# Altium PCB LimeSDR-Micro_M.2_2280_1v1.PcbDoc (part 5 of 9) (continued)
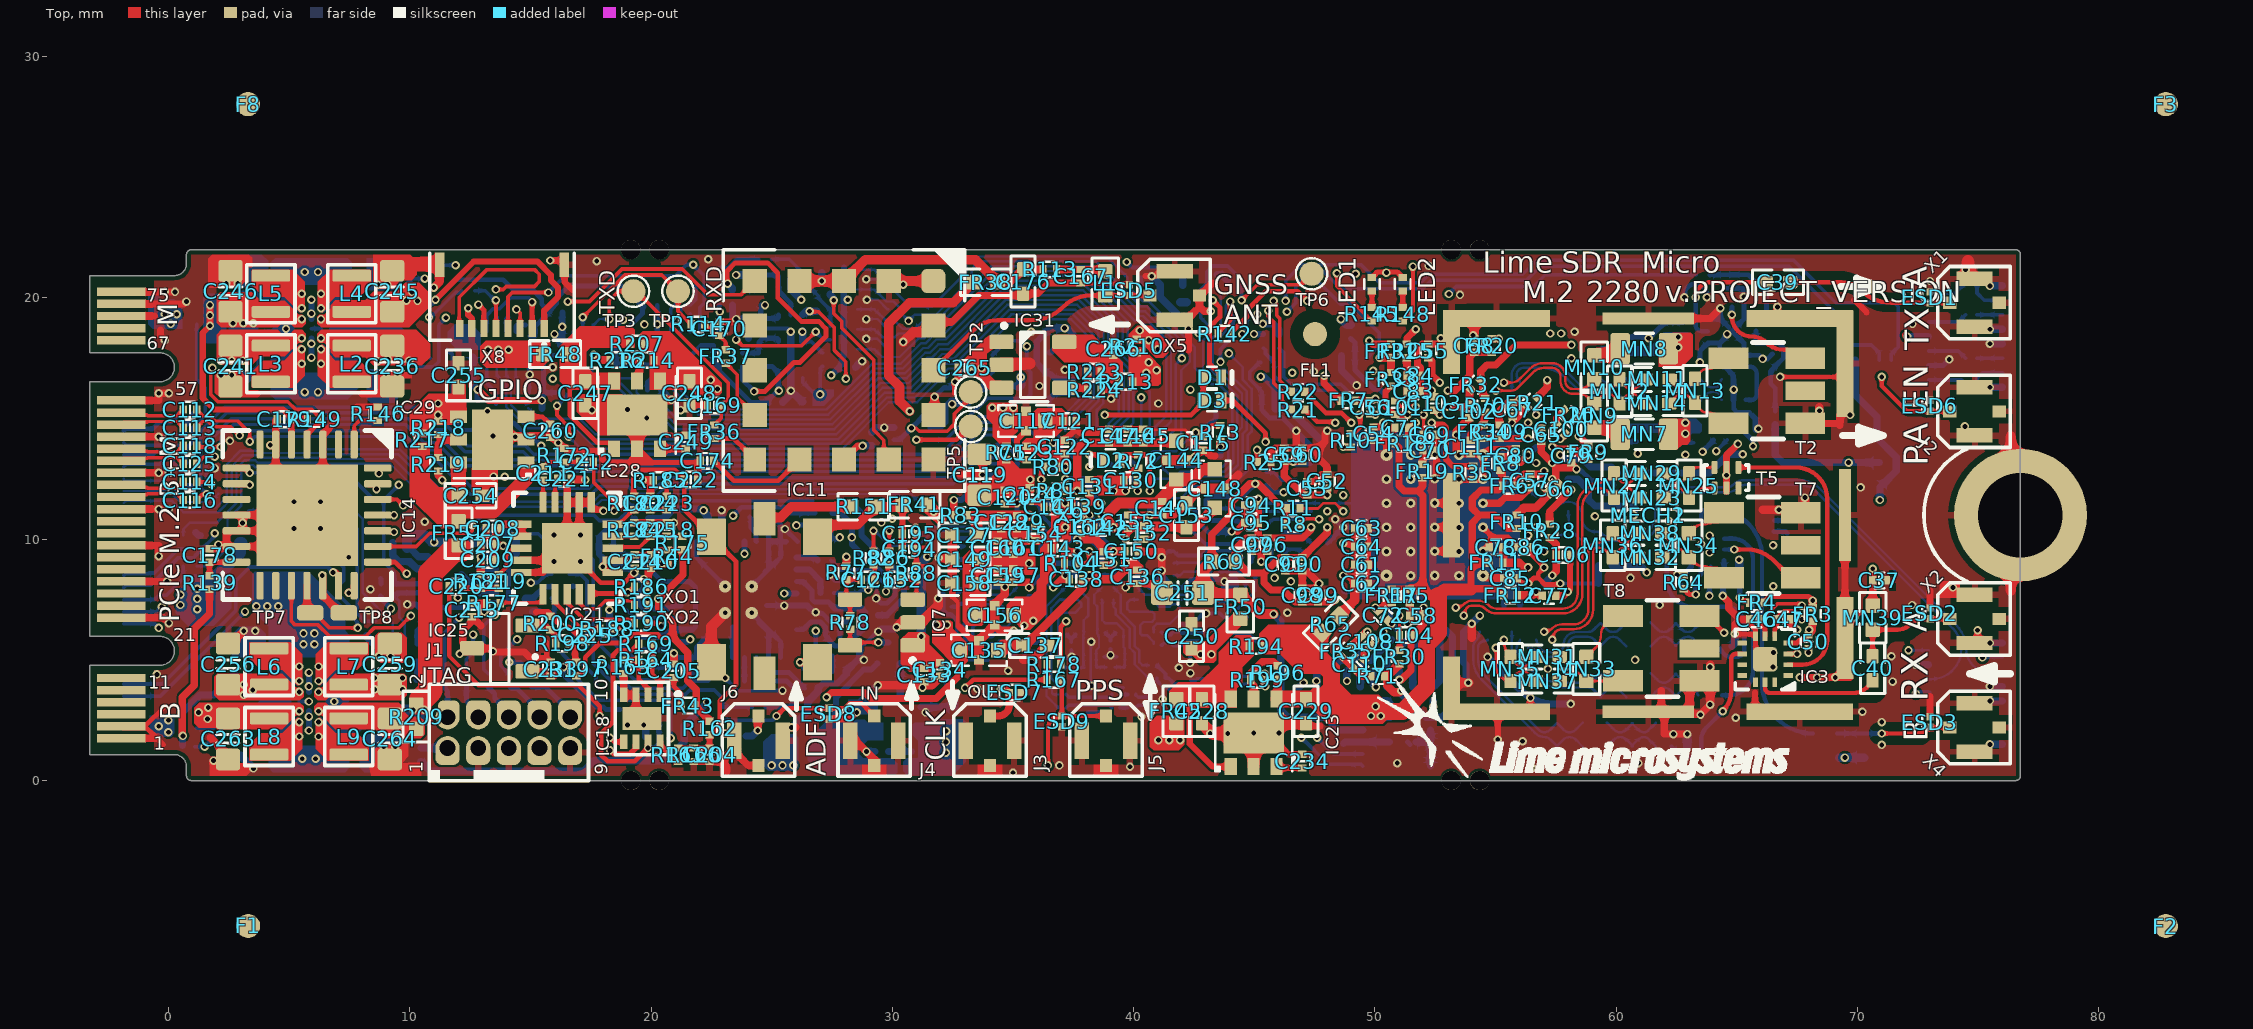
[diagram p0: Top view]
## Nets (pads, with @x,y where several pads share a name; then routed paths per layer and width w, separated by ;. In a path a pad name is that pad's centre, name@x,y a point inside that pad or via, vN(x,y) a via of type N, cw(c..) or ccw(c..) an arc to the next point about the centre after c; other vN are vias at no path point) (continued)
LA_SPI_MOSI: IC8.12 R21.2 R190.2 | length 74.1
  Top w0.15: v1(45.575,19.475) 45.575,19.225 45.8,19 45.8,16.489 46.15,16.139 46.15,15.761 R21.2@46.536,15.375
  Top w0.2: R190.2@19.88,6.525 20.3,6.525 v1(20.425,6.4)
  L4 w0.1: v1(42.35,16.2) 42.7,16.55 v1(42.7,18.525)
  L6 w0.1: v2(14.8,18.875) 15.94,18.875 16.19,19.125 16.46,19.125 17.035,18.55 19.325,18.55 19.688,18.187 23.154,18.187 23.515,17.825 27.9,17.825 28.75,18.675 28.942,18.675 30.242,19.975 30.667,19.975 31.254,20.562 32.073,20.562 32.786,19.85 35.591,19.85 35.741,19.7 35.75,19.7 36.6,18.85 36.6,18.541 36.934,18.207 37.491,18.207 38.659,19.375 40.85,19.375 41.9,18.325 42.5,18.325 v1(42.7,18.525) 43.075,18.9 43.259,18.9 43.584,19.225 44.425,19.225 44.9,19.7 45.35,19.7 v1(45.575,19.475) ; v1(20.425,6.4) 21.6,6.4 22.175,5.825 27.075,5.825 27.3,6.05 27.3,6.875 27.775,7.35 27.775,8.475 28.9,9.6 29.8,9.6 30.375,10.175 30.375,11.15 30.2,11.325 30.2,12.575 33.95,16.325 35.665,16.325 35.965,16.025 38.5,16.025 38.823,16.348 39.283,16.348 39.591,16.04 39.591,15.692 40.008,15.275 41.425,15.275 v1(42.35,16.2)
  Bottom w0.2: IC8.12@14.4,18.6 14.4,18.825 14.45,18.875 v2(14.8,18.875)
LA_SPI_MOSI_LS: IC6.R9 IC8.1 R127.2 R136.1 | length 33.2
  Bottom w0.1: IC8.1@14.4,17.1 14.4,16.033 R127.2@14.85,15.583 ; R127.2@14.92,15.425 15.345,15 17.041,15 17.691,14.35 27.681,14.35 29.606,16.275 30.78,16.275 31.63,17.125 31.804,17.125 32.154,17.475 32.529,17.475 34.769,19.715 37.658,19.715 38.75,18.623 38.75,17.2 39.066,16.884 R136.1@39.066,16.605 39.041,16.605 38.941,16.505 38.941,16.48 38.741,16.28 38.741,15.625 38.475,15.359 38.475,14.692 IC6.R9@38.667,14.5
LA_SPI_SCLK: IC8.10 R20.2 R188.2 | length 62
  Top w0.3: R188.2@18.45,6.3 R188.2@18.45,6.325 ; R188.2@18.5,6.275 18.6,6.275 v1(18.75,6.125)
  L6 w0.1: v2(13.6,19.2) 13.925,18.875 14.34,18.875 15.075,18.14 15.075,17.41 13.59,15.925 13.375,15.925 12.7,15.25 12.7,14.74 12.435,14.475 12.125,14.475 10.325,12.675 9.425,12.675 9.15,12.4 9.15,11.409 8.975,11.234 8.975,9.715 9.19,9.5 10.324,9.5 11.675,8.149 11.675,6.6 11.85,6.425 12.792,6.425 12.867,6.35 13.825,6.35 13.925,6.45 15.915,6.45 16.165,6.7 16.792,6.7 17.192,6.3 18.575,6.3 v1(18.75,6.125) ; 15.075,18.15 16.265,18.15 16.678,17.737 17.012,17.737 17.325,18.05 19.2,18.05 19.463,17.787 22.988,17.787 23.35,17.425 28.287,17.425 28.637,17.775 29.158,17.775 29.45,18.067 29.45,18.617 30.3,19.467 30.408,19.575 30.833,19.575 31.42,20.162 31.908,20.162 32.62,19.45 35.425,19.45 36.193,18.682 36.193,18.382 36.775,17.8 37.65,17.8 38.825,18.975 40.617,18.975 41.667,17.925 42.85,17.925 43.75,18.825 44.667,18.825 v1(44.987,18.505)
  Bottom w0.2: IC8.10@13.6,18.6 v2(13.6,19.2)
  Bottom w0.25: v1(44.987,18.505) R20.2@45.366,18.505
LA_SPI_SCLK_LS: IC6.P8 IC8.3 | length 34.2
  Bottom w0.1: IC8.3@13.6,17.05 13.6,16.8 14,16.4 14,15.485 14.885,14.6 16.875,14.6 17.525,13.95 27.847,13.95 29.772,15.875 30.946,15.875 31.796,16.725 31.97,16.725 32.32,17.075 32.695,17.075 34.935,19.315 37.492,19.315 38.341,18.466 38.341,17.027 38.341,15.808 37.691,15.158 37.691,14.476 IC6.P8@38.167,14
LA_TCK: IC6.N10 R89.2 R92.1 | length 49.9
  L6 w0.1: v2(12.12,15.43) 12.12,15.112 11.975,14.967 11.975,14.7 10.15,12.875 9.342,12.875 8.95,12.483 8.95,11.492 8.775,11.317 8.775,9.633 9.108,9.3 10.241,9.3 11.475,8.066 11.475,6.517 11.767,6.225 12.45,6.225 v1(12.625,6.05) 14.19,6.05 14.315,6.175 15.108,6.175 15.333,5.95 16.617,5.95 16.767,6.1 18.315,6.1 19.465,4.95 21.917,4.95 22.192,5.225 27.733,5.225 29.258,6.75 29.742,6.75 29.892,6.9 30.516,6.9 31.375,7.759 31.375,7.767 32.083,8.475 33.017,8.475 33.675,9.133 33.675,12.133 34.4,12.858 34.4,13.425 34.6,13.625 34.6,13.875 35.021,14.296 35.539,14.296 35.767,14.525 36.884,14.525 37.384,14.025 38.642,14.025 v2(39.167,13.5)
  Bottom w0.15: R92.1@12.35,4.43 12.35,5.025 12.625,5.3 v1(12.625,6.05)
  Bottom w0.2: v2(12.12,15.43) 12.12,15.65 R89.2@12.27,15.8
LA_TDI: IC6.M10 R94.1 | length 34.3
  L6 w0.1: v1(14.45,5.85) 15.15,5.85 15.25,5.75 16.7,5.75 16.85,5.9 18.233,5.9 19.383,4.75 22,4.75 22.225,4.975 25.617,4.975 26.092,4.5 26.425,4.5 26.875,4.95 27.74,4.95 29.34,6.55 29.825,6.55 29.975,6.7 30.599,6.7 31.575,7.676 31.575,7.685 32.165,8.275 33.1,8.275 33.875,9.05 33.875,12.05 34.6,12.775 34.6,13.325 34.842,13.567 34.842,13.817 35.121,14.096 35.621,14.096 35.85,14.325 36.801,14.325 37.301,13.825 38.342,13.825 v2(38.667,13.5)
  Bottom w0.15: R94.1@14.15,4.43 14.1,4.43 13.775,4.755 13.775,5.18 v1@14.447,5.853 ; v2(38.667,13.5) IC6.M10@39.167,13
LA_TDO: IC6.N12 R93.1 | length 37.5
  L6 w0.1: v1(13.525,6.875) 14.6,6.875 15.075,7.35 16.775,7.35 17.425,6.7 19.025,6.7 19.925,5.8 21.167,5.8 21.442,5.525 21.926,5.525 22.026,5.625 27.55,5.625 29.075,7.15 29.576,7.15 29.726,7.3 30.35,7.3 30.975,7.925 30.975,7.933 31.917,8.875 32.851,8.875 33.275,9.299 33.275,10.683 33.125,10.833 33.125,12.8 33.216,12.891 33.216,12.892 33.523,13.2 33.525,13.2 33.675,13.35 33.675,14.075 34.3,14.7 35.341,14.7 35.566,14.925 37.05,14.925 37.55,14.425 39.242,14.425 v2(40.167,13.5)
  Bottom w0.15: R93.1@13.25,4.43 13.075,4.605 13.075,6.425 v1(13.525,6.875)
LA_TMS: IC6.M12 R91.1 | length 38.9
  L6 w0.1: v1(12.05,6.75) 12.75,6.75 12.95,6.55 13.742,6.55 13.842,6.65 15.833,6.65 16.083,6.9 16.875,6.9 17.275,6.5 18.942,6.5 19.842,5.6 21.085,5.6 21.36,5.325 21.844,5.325 22.009,5.325 22.109,5.425 27.633,5.425 29.158,6.95 29.659,6.95 29.809,7.1 30.433,7.1 31.175,7.842 31.175,7.85 32,8.675 32.934,8.675 33.475,9.216 33.475,10.766 33.325,10.916 33.325,12.717 33.416,12.808 33.416,12.81 33.606,13 33.608,13 33.875,13.267 33.875,13.992 34.383,14.5 35.424,14.5 35.649,14.725 36.967,14.725 37.467,14.225 38.901,14.225 39.626,13.5 v2(39.667,13.5)
  Bottom w0.15: R91.1@11.45,4.43 11.45,6.15 v1(12.05,6.75) ; v2(39.667,13.5) IC6.M12@40.167,13
LA_TRST: C115.1 D2.C IC6.N8 R73.2 | length 6.6
  Top w0.2: v1(38.167,13.5) 38.575,13.5 38.675,13.4 D2.C@38.675,13.275 ; v1(42.575,14.425) 42.975,14.425 43.265,14.715 R73.2@43.596,14.715
  L4 w0.15: v1(38.167,13.5) 41.65,13.5 v1(42.575,14.425)
LA_TRX1: IC8.9 R59.2 X8.2 | length 54.1
  Top w0.2: X8.2@15.075,18.725 15.075,19.775 v1@15.125,19.825
  L3 w0.1: v1(15.075,19.825) 15.525,19.375 16.89,19.375 17.19,19.675 20.792,19.675 21.542,20.425 22.525,20.425 23.4,21.3 30.45,21.3 31.225,20.525 47.7,20.525 47.8,20.425 49.225,20.425 49.488,20.162 v1(53.062,20.162)
  Bottom w0.15: IC8.9@13.2,18.6 13.2,19.295 13.455,19.55 13.72,19.55 14.17,20 14.95,20 v1@15.125,19.825 ; v1(53.062,20.162) 53.375,20.475 56.575,20.475 57.055,20.955 R59.2@63.32,20.955
LA_TX_I_N: C2.1 C3.1 IC6.B7 R4.1 R5.2 | length 4
  Bottom w0.1: C2.1@37.581,4.7 37.606,4.675 R5.2@37.941,4.675 ; IC6.B7@37.667,8 38.116,7.551 38.116,6.825 37.931,6.64 R4.1@37.931,6.05 37.916,6.035 37.916,4.7 R5.2@37.941,4.675 ; R5.2@37.956,4.675 R5.2@37.941,4.675
LA_TX_I_P: C1.2 C2.2 IC6.A7 R1.2 R2.1 | length 4
  Bottom w0.1: C2.2@37.251,4.7 37.226,4.675 R1.2@36.876,4.675 36.901,4.7 R2.1@36.901,6.05 36.875,6.076 36.875,6.775 37.05,6.95 37.575,6.95 37.825,7.2 37.825,7.342 IC6.A7@37.667,7.5
LA_TX_Q_N: C5.1 C6.1 IC6.B9 R18.1 R19.2 | length 4
  Bottom w0.1: IC6.B9@38.667,8 38.367,7.7 38.367,7.349 38.501,7.215 R18.1@38.501,6.125 38.501,6.075 38.526,6.05 38.526,5.985 38.566,5.945 38.566,5.525 38.451,5.41 C6.1@38.451,5.125 38.451,4.7 38.476,4.675 R19.2@38.501,4.675 38.526,4.7 C5.1@38.876,4.7
LA_TX_Q_P: C4.2 C5.2 IC6.A9 R14.2 R16.1 | length 3.9
  Bottom w0.1: IC6.A9@38.667,7.5 38.701,7.466 38.701,6.64 38.816,6.525 39.291,6.525 39.581,6.235 R16.1@39.581,6.125 39.581,5.535 39.631,5.485 C4.2@39.631,5.125 39.631,4.7 39.606,4.675 R14.2@39.581,4.675 39.556,4.7 C5.2@39.206,4.7
LMK_CLKOUT1: ESD7.1 IC16.3 J3.1 | length 25.4
  Top w0.3: J3.1@34.05,2.675 34.388,2.675 ccw(c34.388,3.137) 34.85,3.137 ESD7.1@34.85,3.65 34.845,3.65 34.705,3.79 34.51,3.79 v1(34.5,3.8)
  L6 w0.1: v2(21.105,4.18) 21.996,4.18 22.391,4.575 25.452,4.575 25.927,4.1 28.458,4.1 28.983,4.625 33.675,4.625 v1(34.5,3.8)
  Bottom w0.15: v2(21.105,4.18) 19.32,4.18 17.9,5.6 17.9,7.195 18.13,7.425 18.625,7.425 19.3,6.75 IC16.3@21.225,6.75
LMK_CLKOUT7: IC16.20 IC17.3 R158.1 | length 4.9
  L6 w0.1: v1(25.525,7.75) 27.85,10.075 v1@27.875,10.075
  Bottom w0.15: IC17.3@27.45,10.512 IC17.3@27.525,10.587
  Bottom w0.2: R158.1@27.45,9.942 R158.1@27.45,9.967 ; IC17.3@27.45,10.512 R158.1@27.45,9.967 ; v1@27.776,10.017 27.5,10.017 R158.1@27.45,9.967 ; v1@27.834,10.075 v1@27.875,10.075
  Bottom w0.25: v1(25.525,7.75) IC16.20@26.025,7.75
  other v1: 27.825,10.075
LMS_BB_DRV1A_N: C8.1 R27.2 | length 0.3
  Bottom w0.15: R27.2@34.821,5.8 C8.1@35.141,5.8
LMS_BB_DRV1A_P: C12.1 R33.2 | length 0.3
  Bottom w0.15: R33.2@34.821,5.25 C12.1@35.141,5.25
LMS_BB_DRV1AC_N: C9.1 C10.1 R27.1 R28.2 R29.1 | length 2.1
  Bottom w0.15: R28.2@33.541,6.57 33.331,6.36 C10.1@33.331,6.15 33.331,5.83 33.501,5.66 R29.1@33.666,5.66 34.351,5.66 34.458,5.768 34.491,5.768 R27.1@34.491,5.8
LMS_BB_DRV1AC_P: C10.2 C11.2 R32.2 R33.1 R34.2 | length 2.6
  Bottom w0.15: R34.2@33.001,6.57 C10.2@33.001,6.15 33.001,5.89 33.081,5.81 33.081,5.632 33.126,5.587 C11.2@33.126,5.555 33.126,5.522 33.158,5.522 33.341,5.34 R32.2@33.491,5.34 33.901,5.34 33.991,5.25 R33.1@34.491,5.25
LMS_BB_DRV1B_N: C13.1 R36.2 | length 0.3
  Bottom w0.15: R36.2@39.431,3.015 C13.1@39.751,3.015
LMS_BB_DRV1B_P: C17.1 R41.2 | length 0.3
  Bottom w0.15: R41.2@39.431,3.565 C17.1@39.751,3.565
LMS_BB_DRV1BC_N: C14.1 C15.1 R36.1 R37.2 R38.1 | length 2
  Bottom w0.15: R37.2@37.206,3.015 37.316,3.125 37.966,3.125 C14.1@38.141,3.125 R38.1@38.666,3.125 38.991,3.125 39.068,3.047 39.101,3.047 R36.1@39.101,3.015
LMS_BB_DRV1BC_P: C15.2 C16.2 R40.2 R41.1 R42.2 | length 2
  Bottom w0.15: R42.2@37.206,3.565 37.316,3.455 C15.2@37.566,3.455 C16.2@38.141,3.455 R40.2@38.691,3.455 38.991,3.455 39.068,3.532 39.101,3.532 R41.1@39.101,3.565
LMS_BB_DRV2A_N: C18.1 R43.2 | length 0.4
  Bottom w0.15: R43.2@43.256,3.935 43.431,4.11 C18.1@43.576,4.11
LMS_BB_DRV2A_P: C22.1 R48.2 | length 0.4
  Bottom w0.15: R48.2@43.256,3.385 43.431,3.56 C22.1@43.576,3.56
LMS_BB_DRV2AC_N: C19.1 C20.1 R43.1 R44.2 R45.1 | length 2.6
  Bottom w0.15: R44.2@40.956,4.785 40.956,4.753 40.988,4.753 41.32,4.42 41.32,4.24 C20.1@41.341,4.24 41.451,4.24 41.691,4 R45.1@41.791,4 41.991,4 42.166,3.825 C19.1@42.366,3.825 42.816,3.825 42.893,3.902 42.926,3.902 R43.1@42.926,3.935
LMS_BB_DRV2AC_P: C20.2 C21.2 R47.2 R48.1 R49.2 | length 2.4
  Bottom w0.15: R49.2@40.956,4.235 40.956,4.139 41.184,3.91 C20.2@41.341,3.91 41.581,3.67 R47.2@41.791,3.67 41.946,3.67 42.121,3.495 C21.2@42.366,3.495 42.816,3.495 42.893,3.417 42.926,3.417 R48.1@42.926,3.385
LMS_BB_DRV2B_N: C23.1 R50.2 | length 0.3
  Bottom w0.15: R50.2@43.281,5.675 C23.1@43.601,5.675
LMS_BB_DRV2B_P: C27.1 R57.2 | length 0.3
  Bottom w0.15: R57.2@43.281,6.225 C27.1@43.601,6.225
LMS_BB_DRV2BC_N: C24.1 C25.1 R50.1 R51.2 R52.1 | length 2
  Bottom w0.15: R51.2@41.156,5.6 41.266,5.71 C25.1@41.516,5.71 41.636,5.59 R52.1@41.891,5.59 41.923,5.59 42.118,5.785 C24.1@42.403,5.785 42.841,5.785 42.918,5.707 42.951,5.707 R50.1@42.951,5.675
LMS_BB_DRV2BC_P: C25.2 C26.2 R56.2 R57.1 R58.2 | length 2
  Bottom w0.15: R58.2@41.156,6.15 41.266,6.04 C25.2@41.516,6.04 41.548,6.04 41.548,6.072 41.636,6.16 R56.2@41.891,6.16 41.923,6.16 41.968,6.115 C26.2@42.403,6.115 42.841,6.115 42.918,6.192 42.951,6.192 R57.1@42.951,6.225
LMS_CORE_LDO_EN: IC1.U33 R13.1 R15.2 | length 3.9
  Bottom w0.15: R15.2@43.491,11.275 44.361,11.275 44.366,11.27 44.474,11.162 46.859,11.162 46.876,11.179 47.337,11.179 IC1.U33@47.354,11.162
LMS_I2C_SCL: IC1.C27 IC2.6 R26.2 R54.1 | length 65.1
  L4 w0.1: v1(45.841,8.4) 45.849,8.4 46.024,8.575 46.65,8.575 47.025,8.2 47.025,4.6 46.72,4.295 46.72,2.655 v1(47.6,1.775)
  L6 w0.1: v2(8.825,8.15) 8.812,8.137 8.812,7.903 8.51,7.6 8.39,7.6 7.975,7.185 7.975,6.7 8.525,6.15 8.975,6.15 11.5,3.625 16.766,3.625 17.3,3.091 17.3,2.508 17.683,2.125 18.41,2.125 18.56,1.975 19.886,1.975 19.995,2.085 22.465,2.085 23.125,1.425 26.35,1.425 27.225,2.3 31.858,2.3 32.008,2.45 32.392,2.45 33.842,1 46.635,1 47.375,1.74 47.565,1.74 v1(47.6,1.775) ; v1(45.841,8.4) 45.841,10.325 47.191,11.675 47.191,12.15 48.016,12.975 48.016,13.875 48.678,14.537 48.678,15.15 v2(49.352,15.824)
  Bottom w0.15: v1(47.6,1.775) 48.275,1.1 IC2.6@49.5,1.1
  Bottom w0.2: R26.2@8.795,8.375 8.81,8.36 8.81,8.165 v2(8.825,8.15)
LMS_I2C_SDA: IC1.D26 IC2.5 R30.2 R53.1 | length 62.5
  L4 w0.1: v1(46.516,8.25) 46.825,7.941 46.825,4.683 46.52,4.378 46.52,2.215 v1(46.955,1.78)
  L6 w0.1: v1(9.225,7.125) 9.85,6.5 9.85,6.275 12,4.125 16.858,4.125 16.983,4.25 17.86,4.25 18.05,4.06 18.05,3.425 17.55,2.925 17.55,2.54 17.765,2.325 18.59,2.325 18.89,2.625 19.992,2.625 20.333,2.285 23.69,2.285 24.35,1.625 26.267,1.625 27.142,2.5 31.775,2.5 31.925,2.65 32.475,2.65 33.925,1.2 46.375,1.2 v1(46.955,1.78) ; v1(46.516,8.25) 46.516,10.317 47.691,11.492 47.691,11.958 49.685,13.953 v2(49.685,15.491)
  Bottom w0.15: v1(46.955,1.78) 48.06,0.675 49.425,0.675 IC2.5@49.5,0.6
  Bottom w0.2: R30.2@8.795,7.65 8.795,7.555 v1(9.225,7.125)
LMS_MCLK1: IC1.AB34 R7.1 R84.1 | length 1.5
  Bottom w0.15: R7.1@46.166,9.74 46.166,9.691 46.28,9.577 ; R84.1@46.28,9.025 46.28,9.577 ; IC1.AB34@47.021,9.497 46.967,9.497 46.887,9.577 46.28,9.577
LMS_RESET: IC1.E27 IC14.17 R10.1 | length 57.4
  Top w0.15: IC14.17@5.1,8.075 5.1,6.6 5.25,6.45 6.2,6.45 6.675,5.975 8.175,5.975 8.525,6.325 9.55,6.325 v1(10.05,6.825)
  Top w0.2: R10.1@48.991,14.38 49.041,14.43 49.171,14.43 49.394,14.653 v1@49.394,15.01
  L6 w0.1: v1(10.05,6.825) 10.05,6.358 12.083,4.325 16.775,4.325 16.925,4.475 18.125,4.475 19.425,3.175 20.067,3.175 20.551,2.691 24.268,2.691 25.135,1.825 26.184,1.825 27.059,2.7 27.5,2.7 28.05,3.25 35.108,3.25 35.708,3.85 36.116,3.85 36.991,4.725 39.025,4.725 39.8,5.5 40.441,5.5 41.716,6.775 42.39,6.775 43.465,7.85 44.741,7.85 44.966,8.075 45.975,8.075 46.191,8.29 46.191,10.275 47.491,11.575 47.491,12.041 49.352,13.903 v1(49.352,15.158)
LMS_RX1_BB_I_N: C8.2 IC1.AB2 R31.1 | length 43
  L4 w0.1: v1(57.716,18.525) 57.716,17.383 58.091,17.008 58.091,15.085 58.766,14.41 58.766,13.839 57.966,13.039 57.966,12.366 57.816,12.216 57.816,11.884 58.75,10.95 v1(59.116,10.95)
  L6 w0.1: v2(36.066,5.75) 36.304,5.75 36.779,6.225 37.3,6.225 37.45,6.375 40.15,6.375 42.95,9.175 42.95,9.916 43.1,10.066 43.1,11.975 44.475,13.35 44.475,13.825 46.925,16.275 46.925,17.225 48.175,18.475 48.416,18.475 48.486,18.545 ; 48.486,18.546 49.29,19.35 50.48,19.35 51.85,17.98 54.105,17.98 54.466,18.34 54.466,18.575 54.741,18.85 57.416,18.85 v1@57.716,18.55 ; v2(57.677,9.497) 58.28,10.1 58.716,10.1 59.116,10.5 v1(59.116,10.95)
  Bottom w0.15: C8.2@35.471,5.8 35.471,5.768 35.503,5.768 35.581,5.69 R31.1@35.856,5.69 36.006,5.69 v2(36.066,5.75) v2@36.046,5.75
LMS_RX1_BB_I_P: C12.2 IC1.Y6 R31.2 | length 43
  L4 w0.1: v1(56.345,10.163) 56.353,10.171 57.012,10.171 57.191,10.35 57.191,10.6 56.691,11.1 56.691,11.374 57.741,12.424 57.741,13.097 58.066,13.422 58.066,14.799 57.891,14.974 57.891,16.925 56.916,17.9 56.916,18.175 v1(57.266,18.525)
  L6 w0.1: v2(36.066,5.275) 36.112,5.275 36.862,6.025 37.383,6.025 37.533,6.175 40.233,6.175 43.15,9.092 43.15,9.833 43.3,9.983 43.3,11.892 44.675,13.267 44.675,13.742 47.125,16.192 47.125,17.142 48.258,18.275 48.499,18.275 48.686,18.462 ; 48.686,18.463 49.373,19.15 50.397,19.15 51.767,17.78 54.371,17.78 54.666,18.075 54.666,18.492 54.824,18.65 55.403,18.65 55.603,18.45 55.603,18.013 55.716,17.9 56.216,17.9 56.361,18.046 56.361,18.45 56.561,18.65 57.141,18.65 v1(57.266,18.525)
  Bottom w0.15: C12.2@35.471,5.25 35.471,5.283 35.503,5.283 35.581,5.36 R31.2@35.856,5.36 35.981,5.36 v2(36.066,5.275) 36.012,5.275 v2@35.972,5.235
LMS_RX1_BB_Q_N: C13.2 IC1.AA5 R39.1 | length 43.9
  L6 w0.1: v2(40.691,3.025) 40.541,3.175 39.016,3.175 38.786,2.945 38.535,2.945 38.39,2.8 38.177,2.8 38.032,2.945 37.781,2.945 37.026,3.7 36.766,3.7 36.216,3.15 35.791,3.15 35.571,2.93 35.571,2.06 35.701,1.93 35.931,1.93 36.786,2.785 37.246,2.785 38.201,1.83 38.427,1.83 38.572,1.975 38.735,1.975 38.88,1.83 40.306,1.83 40.776,2.3 41.4,2.3 41.675,2.575 42.816,2.575 42.961,2.72 42.961,3.565 42.856,3.67 42.346,3.67 42.066,3.95 41.366,3.95 41.011,4.305 41.011,4.635 42.151,5.775 43.766,5.775 44.529,6.539 46.439,6.539 46.97,7.07 47.746,7.07 48.166,6.65 48.433,6.65 48.691,6.908 48.691,7.983 49.288,8.58 49.531,8.58 50.056,9.105 50.731,9.105 50.861,9.235 50.861,9.612 50.616,9.857 50.616,10.123 50.867,10.375 51.093,10.375 51.338,10.13 51.651,10.13 52.096,9.685 52.096,9.313 52.329,9.08 52.588,9.08 52.911,9.403 52.911,9.76 53.256,10.105 53.776,10.105 54.096,9.785 54.096,9.305 54.306,9.095 54.596,9.095 54.886,9.385 54.886,9.71 55.033,9.857 55.271,10.095 55.271,10.38 55.941,11.05 56.391,11.05 56.678,10.762 v1(56.678,10.496)
  Bottom w0.11: IC1.AA5@56.678,9.83 v1(56.678,10.496)
  Bottom w0.15: C13.2@40.081,3.015 40.081,3.047 40.113,3.047 40.191,3.125 R39.1@40.441,3.125 40.591,3.125 v2(40.691,3.025)
LMS_RX1_BB_Q_P: C17.2 IC1.AB4 R39.2 | length 43.9
  L6 w0.1: v2(40.691,3.555) 40.682,3.555 40.507,3.38 38.931,3.38 38.701,3.15 37.866,3.15 37.111,3.905 36.681,3.905 36.131,3.355 35.706,3.355 35.366,3.015 35.366,1.975 35.616,1.725 36.016,1.725 36.871,2.58 37.161,2.58 38.116,1.625 39.191,1.625 39.196,1.63 40.389,1.63 40.854,2.095 41.478,2.095 41.758,2.375 42.906,2.375 43.166,2.635 43.166,3.65 42.941,3.875 42.424,3.875 42.149,4.15 41.456,4.15 41.216,4.39 41.216,4.55 42.241,5.575 43.849,5.575 44.612,6.339 46.522,6.339 47.048,6.865 47.651,6.865 48.066,6.45 48.516,6.45 48.891,6.825 48.891,7.9 49.366,8.375 49.616,8.375 50.141,8.9 50.816,8.9 51.066,9.15 51.066,9.65 51.266,9.85 51.641,9.85 51.891,9.6 51.891,9.235 52.251,8.875 52.666,8.875 53.116,9.325 53.116,9.675 53.341,9.9 53.691,9.9 53.891,9.7 53.891,9.22 54.221,8.89 54.681,8.89 55.091,9.3 55.091,9.625 55.304,9.838 56.504,9.838 57.041,10.375 57.291,10.375 57.491,10.175 57.491,9.977 v1(57.011,9.497)
  Bottom w0.15: C17.2@40.081,3.565 40.081,3.532 40.113,3.532 40.191,3.455 R39.2@40.441,3.455 40.591,3.455 v2(40.691,3.555)
LMS_RX2_BB_I_N: C18.2 IC1.AC3 R46.1 | length 25.4
  L6 w0.1: v2(44.916,4.425) 44.766,4.275 44.183,4.275 43.916,4.008 43.916,3.25 44.591,2.575 45.041,2.575 46.966,4.5 51.158,4.5 51.616,4.042 51.616,2.825 52.066,2.375 53.266,2.375 56.266,5.375 56.266,6.392 57.124,7.25 58.166,7.25 58.516,7.6 58.516,8.45 58.002,8.963 58.002,8.966 57.812,9.156 57.81,9.156 57.802,9.164 v2(57.344,9.164)
  Bottom w0.15: C18.2@43.906,4.11 43.906,4.142 44.088,4.325 R46.1@44.416,4.325 44.816,4.325 v2(44.916,4.425)
LMS_RX2_BB_I_P: C22.2 IC1.AD2 R46.2 | length 25.4
  L6 w0.1: v2(44.916,3.895) 44.736,4.075 44.266,4.075 44.116,3.925 44.116,3.333 44.674,2.775 44.958,2.775 46.216,4.033 46.216,4.525 46.391,4.7 51.791,4.7 51.941,4.55 51.941,4.075 51.816,3.95 51.816,3.625 51.941,3.5 51.941,3.275 51.816,3.15 51.816,2.908 52.149,2.575 53.183,2.575 53.533,2.925 56.066,5.458 56.066,6.475 57.003,7.413 57.003,7.888 57.116,8 57.341,8 57.891,7.45 58.083,7.45 58.316,7.683 58.316,8.367 58.118,8.565 57.943,8.565 v2(57.677,8.831)
  Bottom w0.15: C22.2@43.906,3.56 43.906,3.592 43.913,3.592 44.316,3.995 R46.2@44.416,3.995 44.816,3.995 v2(44.916,3.895)
LMS_RX2_BB_Q_N: C23.2 IC1.AB6 R55.1 | length 25.2
  L6 w0.1: v2(44.591,5.76) 44.591,5.966 44.7,6.075 46.041,6.075 46.216,5.9 46.648,5.9 47.348,6.6 47.549,6.6 47.999,6.15 48.858,6.15 49.141,6.433 49.141,7.233 49.453,7.545 49.453,7.845 49.708,8.1 50.074,8.1 50.424,7.75 50.683,7.75 50.891,7.958 50.891,8.683 51.283,9.075 51.724,9.075 52.091,8.708 52.091,8.075 52.091,8.017 51.691,7.617 51.691,7 51.878,6.812 52.122,6.812 52.391,7.081 52.391,7.608 52.83,8.047 52.83,8.615 52.93,8.715 52.93,8.718 53.252,9.04 53.788,9.04 54.08,8.748 54.08,8.324 54.355,8.05 54.774,8.05 55.041,7.783 55.041,6.875 55.216,6.7 55.691,6.7 55.966,6.975 55.966,7.75 55.091,8.625 55.091,8.983 55.605,9.497 v2(56.345,9.497)
  Bottom w0.15: C23.2@43.931,5.675 44.041,5.785 R55.1@44.316,5.785 v2@44.591,5.785
LMS_RX2_BB_Q_P: C27.2 IC1.AC5 R55.2 | length 25.3
  L6 w0.1: v2(45.091,5.75) 45.366,5.75 45.491,5.875 45.958,5.875 46.133,5.7 46.731,5.7 47.306,6.275 47.591,6.275 47.916,5.95 48.941,5.95 49.341,6.35 49.341,7.15 49.653,7.462 49.653,7.762 49.791,7.9 49.991,7.9 50.341,7.55 50.766,7.55 51.091,7.875 51.091,8.6 51.366,8.875 51.641,8.875 51.891,8.625 51.891,8.1 51.491,7.7 51.491,6.917 51.795,6.612 52.205,6.612 52.591,6.998 52.591,7.525 53.041,7.975 53.041,8.542 53.13,8.632 53.13,8.635 53.335,8.84 53.625,8.84 53.88,8.585 53.88,8.241 54.272,7.85 54.691,7.85 54.841,7.7 54.841,6.792 55.133,6.5 55.774,6.5 56.166,6.892 56.166,7.833 55.291,8.708 55.291,8.9 55.555,9.164 v2(56.678,9.164)
  Bottom w0.15: C27.2@43.931,6.225 44.041,6.115 R55.2@44.316,6.115 44.731,6.115 45.091,5.755 v2(45.091,5.75)
LMS_RXEN: IC1.V34 R12.1 | length 1.5
  Bottom w0.15: R12.1@45.621,10.675 45.621,10.7 45.696,10.775 45.73,10.775 45.784,10.829 IC1.V34@47.021,10.829
LMS_RxPLL_CLK: C197.2 IC1.AM24 R154.2 | length 25.2
  L3 w0.1: v1(29,7.9) 29,7.45 ccw(c29.225,7.45) 29.225,7.225 39.978,7.225 ccw(c39.978,7.822) 40.4,7.4 cw(c41.004,6.796) 41.004,7.65 ccw(c41.004,10.357) 42.918,8.443 43.131,8.656 cw(c44.927,6.86) 44.927,9.4 46.048,9.4 cw(c46.048,6.86) 47.844,8.656 48.4,8.1 50.32,6.18 ccw(c50.351,6.211) v1(50.351,6.167)
  Bottom w0.15: R154.2@27.58,7.775 27.585,7.77 C197.2@28.25,7.77 28.595,7.77 28.725,7.9 v1(29,7.9)
LMS_TX1_BB_I_N: IC1.R5 R5.1 | length 27.3
  L6 w0.1: v2(37.768,4.332) 37.768,3.91 38.079,3.6 38.433,3.6 38.788,3.955 39.758,3.955 41.978,6.175 43.6,6.175 44.55,7.125 44.864,7.125 45.214,7.475 47.533,7.475 48.091,8.033 48.091,8.65 48.546,9.105 49.213,9.105 49.816,9.708 49.816,10.9 50.041,11.125 51.966,11.125 52.116,10.975 52.116,10.308 52.324,10.1 52.633,10.1 52.891,10.358 52.891,10.925 53.066,11.1 53.891,11.1 54.03,10.96 54.03,10.443 54.349,10.125 54.633,10.125 54.866,10.358 54.866,11.1 55.919,12.153 v2(56.353,12.153)
  Bottom w0.2: v2(56.353,12.153) IC1.R5@56.678,11.828
LMS_TX1_BB_I_P: IC1.T4 R1.1 | length 27.3
  L6 w0.1: v2(37.063,4.332) 37.996,3.4 38.516,3.4 38.871,3.755 39.841,3.755 42.061,5.975 43.683,5.975 44.633,6.925 44.947,6.925 45.297,7.275 47.616,7.275 47.666,7.325 48.291,7.95 48.291,8.567 48.629,8.905 49.296,8.905 50.016,9.625 50.016,10.521 50.42,10.925 51.558,10.925 51.916,10.567 51.916,10.225 52.241,9.9 52.716,9.9 53.091,10.275 53.091,10.625 53.366,10.9 53.666,10.9 53.83,10.735 53.83,10.36 54.266,9.925 54.716,9.925 55.066,10.275 55.066,10.7 56.194,11.828 56.602,11.828 56.911,11.519 v2@56.988,11.519
  other v2: 57.011,11.495
LMS_TX1_BB_Q_N: IC1.P2 R19.1 | length 27.3
  L6 w0.1: v2(38.688,4.333) 38.695,4.34 38.941,4.34 39.259,4.658 39.433,4.658 40.075,5.3 40.537,5.3 41.812,6.575 43.158,6.575 44.158,7.575 44.749,7.575 45.049,7.875 46.733,7.875 47.091,8.233 47.091,8.45 48.146,9.505 48.985,9.505 49.266,9.786 49.266,11.308 50.058,12.1 53.595,12.1 54.345,12.85 54.566,12.85 55.534,13.818 56.464,13.818 57.003,14.357 57.003,14.611 57.21,14.817 57.479,14.817 58.002,14.294 58.002,13.358 57.677,13.033 v2(57.677,12.161)
LMS_TX1_BB_Q_P: IC1.R3 R14.1 | length 27.3
  L6 w0.1: v2(39.393,4.333) 39.551,4.175 39.695,4.175 39.95,4.43 39.95,4.889 40.136,5.075 40.595,5.075 41.895,6.375 43.241,6.375 44.241,7.375 44.831,7.375 45.131,7.675 47.191,7.675 47.291,7.775 47.291,8.367 47.525,8.602 47.744,8.602 47.994,8.851 47.994,9.071 48.229,9.305 49.068,9.305 49.163,9.4 49.466,9.703 49.466,11.225 49.635,11.394 49.86,11.394 49.972,11.506 49.972,11.731 50.141,11.9 50.565,11.9 50.84,11.625 51.116,11.625 51.391,11.9 51.616,11.9 51.891,11.625 52.087,11.625 52.362,11.9 52.575,11.9 52.85,11.625 53.12,11.625 53.395,11.9 53.565,11.9 53.866,11.6 54.095,11.6 54.395,11.9 54.666,11.9 54.941,11.625 55.108,11.625 55.574,12.091 55.574,12.316 55.091,12.8 55.091,13.05 55.591,13.55 55.816,13.55 55.991,13.375 55.991,13.125 56.256,12.86 56.506,12.86 56.686,12.679 56.686,12.026 56.877,11.836 57.336,11.836 v2(57.344,11.828)
LMS_TX2_BB_I_N: IC1.T6 R6.1 X6.3 | length 23.7
  L6 w0.1: v2(56.345,11.495) 56.67,11.17 57.236,11.17 57.766,11.7 58.408,11.7 58.858,12.15 61.099,12.15 61.874,11.375 62.541,11.375 63.141,10.775 v2(66.553,10.775) 66.607,10.775 66.737,10.646 67.912,10.646 70.65,7.908 72.367,7.908 v1(75.175,5.1)
  Bottom w0.1: v1(75.175,5.1) X6.3@76.008,5.1
  Bottom w0.2: v2(66.553,10.775) 67.065,10.775 R6.1@67.1,10.81
LMS_TX2_BB_I_P: IC1.V2 R6.2 X6.2 | length 23.9
  L6 w0.1: v2(57.677,10.829) 57.677,11.329 57.849,11.5 58.091,11.5 58.233,11.358 58.233,10.608 58.366,10.475 58.616,10.475 58.766,10.625 58.766,11.725 58.991,11.95 61.016,11.95 61.791,11.175 62.458,11.175 63.058,10.575 65.991,10.575 66.241,10.325 v2(66.541,10.325) 66.604,10.325 66.724,10.446 67.829,10.446 70.567,7.708 72.284,7.708 73.15,6.842 73.15,6.125 72.425,5.4 v1(72.11,5.4)
  Bottom w0.1: v1(72.11,5.4) X6.2@72.943,5.4
  Bottom w0.2: v2(66.541,10.325) 67.016,10.325 67.025,10.316 67.025,10.3 67.075,10.25 R6.2@67.1,10.25